# Altium PCB PCB1.PcbDoc (part 5 of 9)
Units mil, origin at the board's own origin, x right, y up, seen from the top; angles counter-clockwise.
Board outline 6000 x 4000 mil, 7 copper layers (Top Layer, InternalPlane1, MidLayer1, InternalPlane2, Internal Plane 3, MidLayer2, Bottom Layer); 389 components, 0 nets, 1750 pads, 1189 vias.
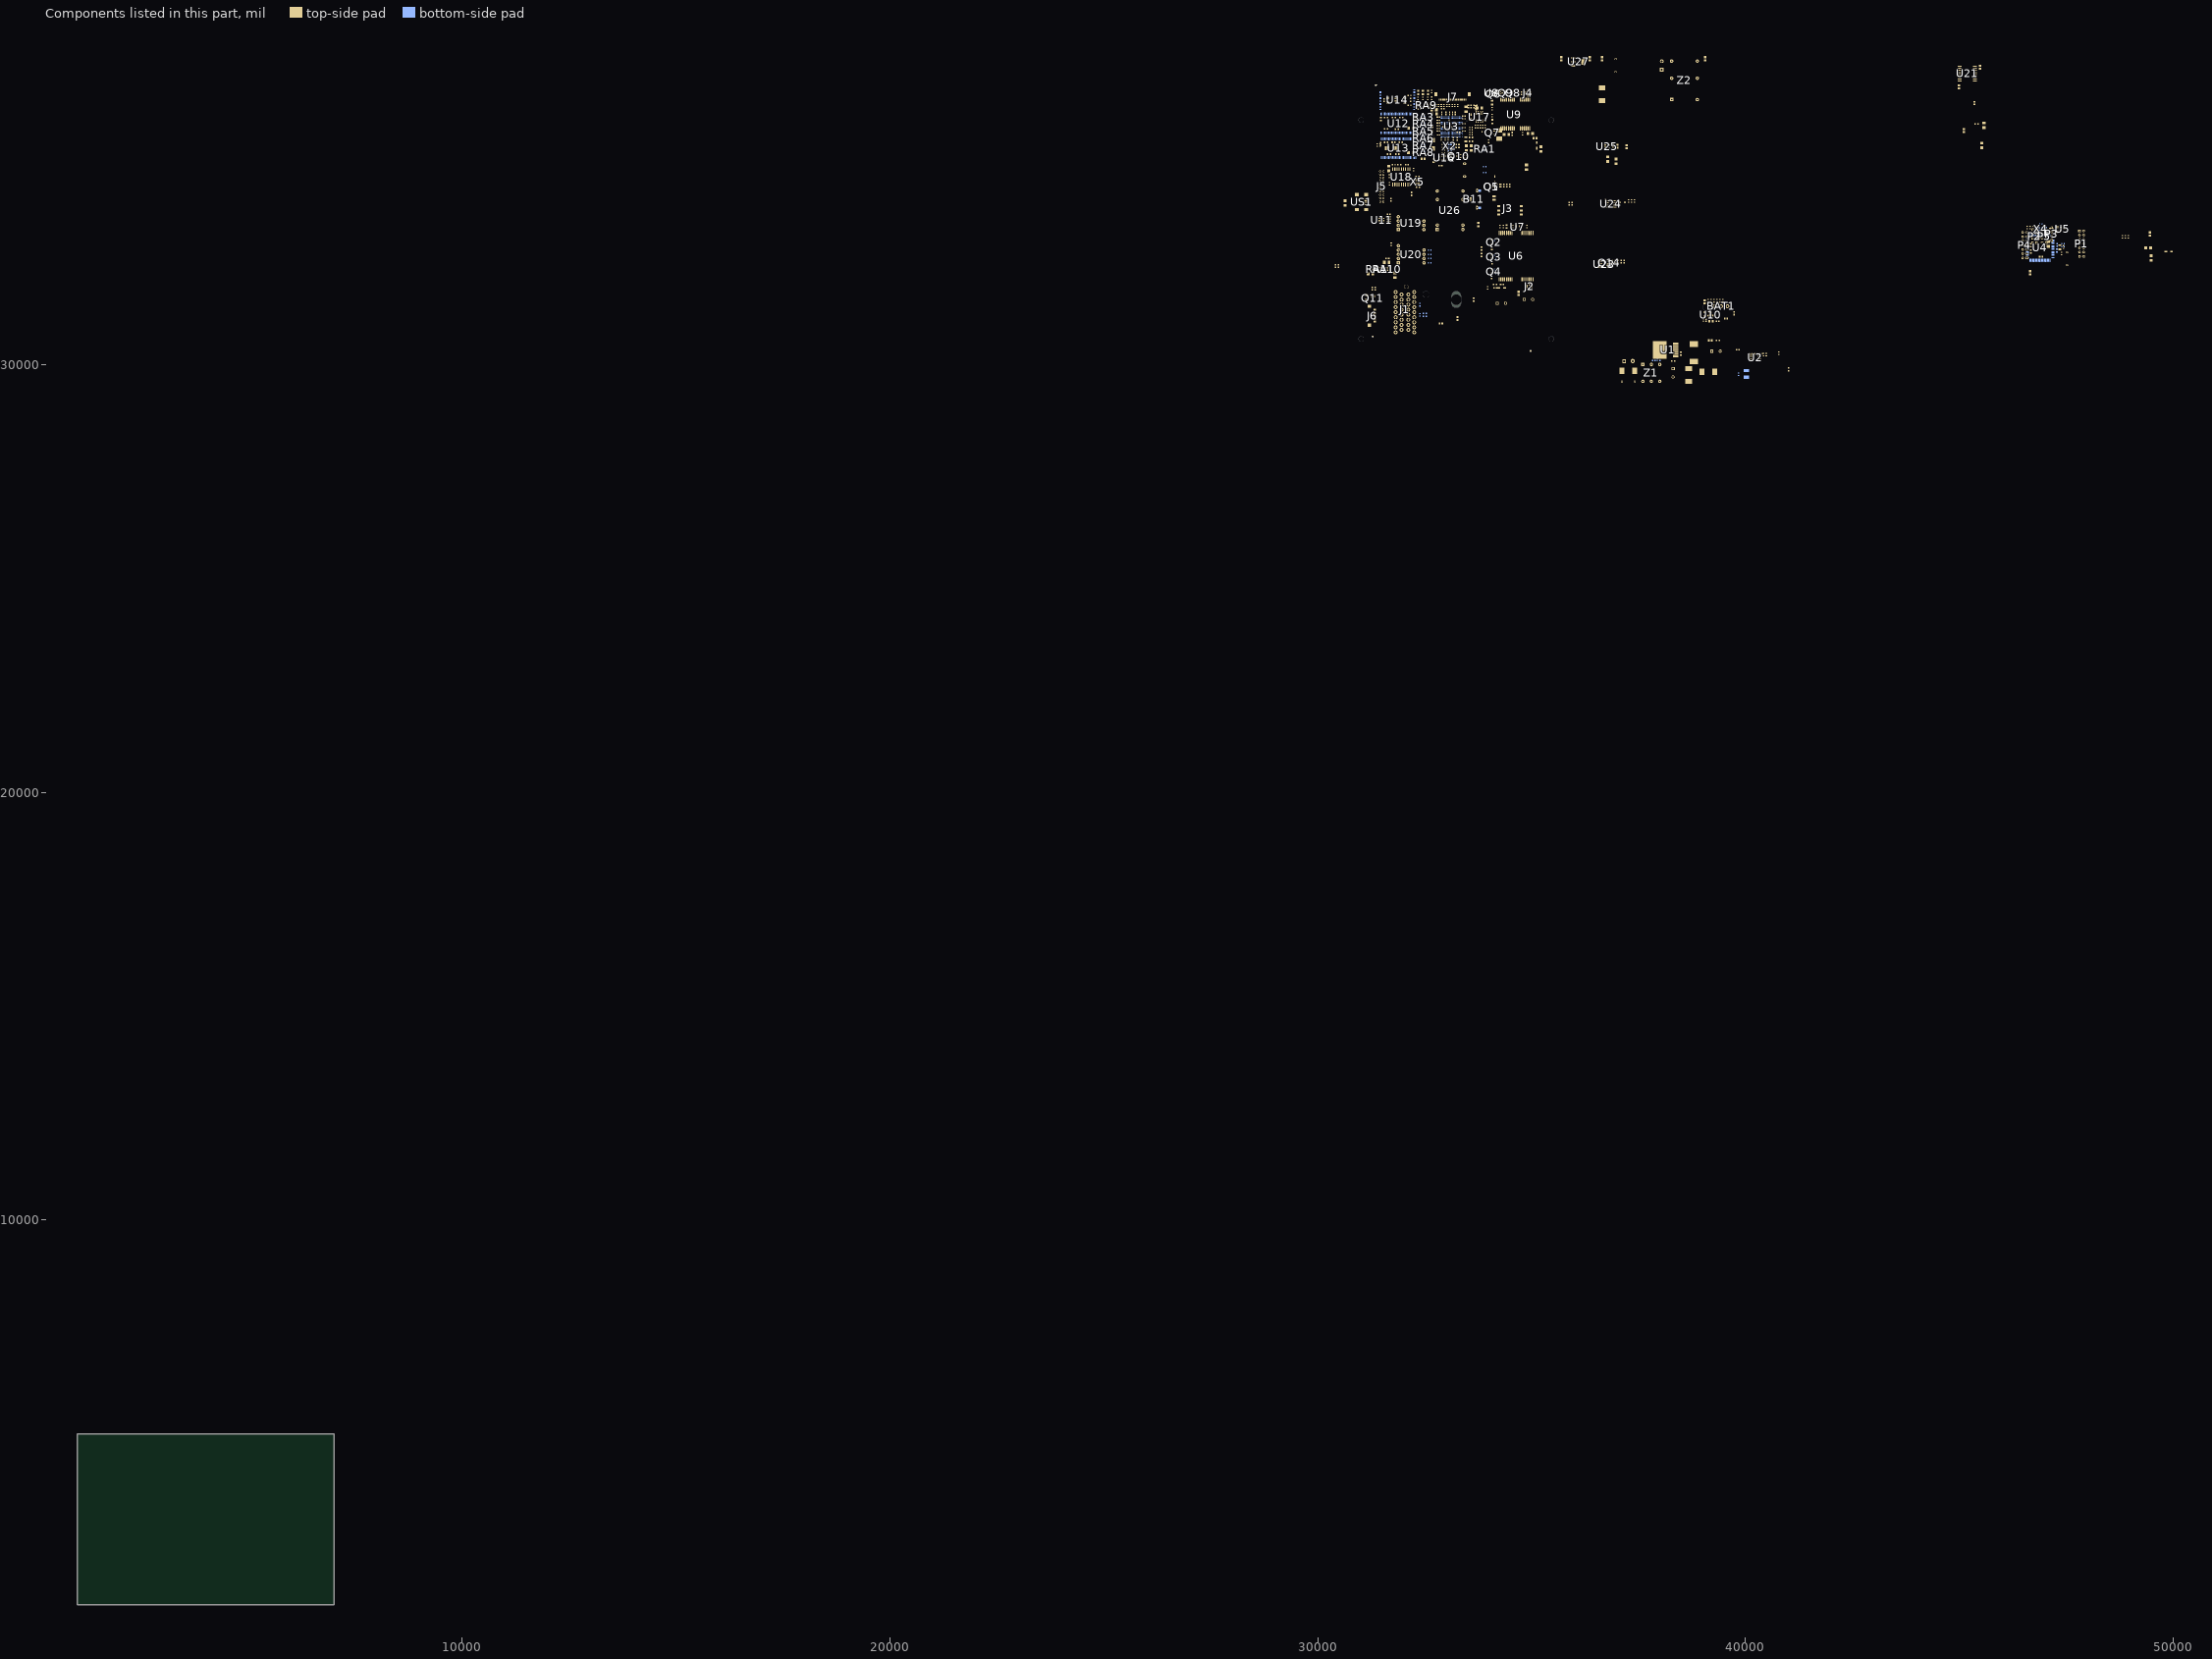
[diagram p10: the components of this part, seen from the top]

## Via types
v1: diameter 18, hole 10, Top Layer to Bottom Layer, tented both sides, 402 vias
v2: diameter 20, hole 10, Top Layer to Bottom Layer, tented both sides, 376 vias
v3: diameter 25, hole 15, Top Layer to Bottom Layer, tented both sides, 361 vias
v4: diameter 23.62, hole 11.81, Top Layer to Bottom Layer, tented both sides, 45 vias
v5: diameter 50, hole 28, Top Layer to Bottom Layer, tented both sides, 4 vias
v6: diameter 30, hole 15, Top Layer to Bottom Layer, tented both sides, 1 vias

## Nets (pads, with @x,y where several pads share a name; then routed paths per layer and width w, separated by ;. In a path a pad name is that pad's centre, name@x,y a point inside that pad or via, vN(x,y) a via of type N, cw(c..) or ccw(c..) an arc to the next point about the centre after c; other vN are vias at no path point) (continued)
copper on no net: (continued)
  MidLayer1 w5: v2@31193.8,31205.25 ccw(c31183.37,31215.68) 31198.12,31215.68 ; v2@31198.12,31200.93 31198.12,31532.62 31408.41,31742.92 v2(31408.41,32171.74) ; 31198.12,31220.43 ccw(c31219.59,31220.43) v2@31204.41,31205.25 ; v2(31241.43,33947.98) 31313.28,34019.83 31503.53,34019.83 31542.27,34058.57 31632.07,34058.57 v4(31661.68,34088.17) ; v2@31252.63,31045.42 ccw(c31234.52,31045.42) 31247.32,31058.22 ccw(c31260.13,31071.02) v2@31260.13,31052.92 ; v2(31260.13,31045.42) 31236.5,31069.04 31236.5,31499.16 31440.24,31702.9 v2@31440.24,32148.76 ; v2@31272.15,31853.49 ccw(c31258.42,31867.22) 31277.84,31867.22 ; v2@31277.84,31850.54 31277.84,31919.43 31344.77,31986.36 31344.77,32148.76 31458.94,32262.94 31941.23,32262.94 32046.05,32367.76 v2(32046.05,32663.04) ; 31277.84,31865.36 ccw(c31294.63,31865.36) v2@31282.76,31853.48 ; v2@31280.37,31107.78 ccw(c31267.56,31120.58) 31285.67,31120.58 ccw(c31303.78,31120.58) v2@31290.97,31107.78 ; v2(31285.67,31102.47) 31285.67,31444.98 31310.32,31469.63 ; v2@31286.09,31065.1 ccw(c31267.98,31065.1) 31280.79,31077.91 ccw(c31293.59,31090.71) v2@31293.59,31072.6 ; v2@31290.64,31024.75 31329.02,31063.13 31329.02,31449.94 31580.99,31701.91 v2@31580.99,32123.17 ; v2@31290.64,31033.23 ccw(c31290.64,31053.72) 31305.12,31039.23 ; v2(31293.59,31065.1) 31261.11,31097.58 31261.11,31466.68 31478.63,31684.2 v2@31478.63,32117.27 ; v2@31298.14,31025.73 cw(c31313.87,31025.73) 31302.75,31036.86 ; 31309.83,31470.12 31513.41,31673.7 v2(31513.41,32091.03) 31585.91,32163.53 32007.17,32163.53 32255.2,32411.56 32255.2,33368.25 32692.19,33805.23 32692.19,34141.32 33270.93,34720.06 33270.93,35266.32 33236.48,35300.77 v1(33236.48,35376.56) ; v2@31375.66,31084.79 ccw(c31357.55,31084.79) 31370.35,31097.59 ccw(c31383.16,31110.39) v2@31383.16,31092.29 ; v2(31383.16,31084.79) 31355.6,31112.35 31355.6,31439.12 31615.44,31698.96 v2@31615.44,32111.36 ; v2@31388.68,31149.15 ccw(c31377.69,31160.14) 31393.23,31160.14 ; v2@31393.23,31144.59 31393.23,31416.71 31648.91,31672.39 v2@31648.91,32091.68 ; 31393.23,31163.76 ccw(c31413.9,31163.76) v2@31399.29,31149.15 ; v2@31403.11,32166.43 cw(c31390.31,32153.63) 31408.41,32153.63 cw(c31426.52,32153.63) v2@31413.72,32166.43 ; v2@31405.8,32174.35 31469.77,32238.33 31962.27,32238.33 32170.56,32446.62 32170.56,33376.13 32633.13,33838.7 32633.13,34197.43 33223.68,34787.98 33223.68,35254.51 33189.23,35288.96 33189.23,35423.8 v1(33204.98,35439.55) ; v2@31410.91,32171.74 cw(c31429.59,32171.74) 31416.38,32184.94 ; v2@31415.91,32171.74 cw(c31446.66,32171.74) 31424.92,32193.48 ; v2@31423.13,31200.33 ccw(c31410.33,31213.13) 31428.43,31213.13 ccw(c31446.54,31213.13) v2@31433.74,31200.33 ; v2(31428.43,31195.02) 31428.43,31401.72 31685.32,31658.61 v2@31685.32,32060.18 ; v2@31438.11,32142.26 cw(c31432.96,32137.11) 31440.24,32137.11 ; 31440.24,32121.81 cw(c31469.17,32121.81) v2@31448.72,32142.26 ; 31440.24,32133.88 cw(c31457.1,32133.88) v2@31445.18,32145.8 ; v2(31443.41,32147.56) 31514.5,32218.65 31984.31,32218.65 ; v2@31443.41,32155.06 ccw(c31443.41,32173.17) 31456.22,32160.37 ccw(c31469.02,32147.56) v2@31450.91,32147.56 ; v2@31473.54,32112.18 cw(c31461.26,32099.9) 31478.63,32099.9 ; 31478.63,32098.85 cw(c31497.48,32098.85) v2@31484.15,32112.18 ; v2(31478.85,32117.48) 31546.54,32185.18 31988.42,32185.18 32226.64,32423.39 32226.64,33371.18 32670.53,33815.08 32670.53,34146.25 33249.27,34724.99 33249.27,35269.28 33220.73,35297.82 33220.73,35392.31 v1(33204.98,35408.06) ; v2@31478.85,32124.98 ccw(c31478.85,32143.09) 31491.65,32130.29 ccw(c31504.45,32117.48) v2@31486.35,32117.48 ; v2@31508.11,32085.72 cw(c31495.31,32072.92) 31513.41,32072.92 cw(c31531.52,32072.92) v2@31518.72,32085.72 ; v2@31509.79,35379.78 cw(c31509.79,35361.68) 31522.6,35374.48 cw(c31535.4,35387.28) v2@31517.29,35387.28 ; v2(31509.79,35387.28) 31530.8,35366.28 31734.54,35366.28 31768.69,35332.13 32433.47,35332.13 32461.87,35303.73 v1(32823.09,35303.73) ; v2@31509.79,35910.62 cw(c31509.79,35895.74) 31520.32,35906.26 ; v2(31509.79,35918.12) 31509.79,35916.78 31562.29,35864.28 32516.03,35864.28 32568.17,35812.15 32605.05,35812.15 32824.13,35593.07 32893.98,35593.07 v1(32984.51,35502.54) ; v2@31513.41,32098.53 ccw(c31513.41,32116.63) 31526.22,32103.83 ccw(c31539.02,32091.03) v2@31520.91,32091.03 ; v2@31517.29,35918.12 ccw(c31538.63,35918.12) 31523.54,35903.03 ; 31542.27,34294.79 31667.5,34294.79 v4(31690.22,34317.51) ; v2@31569.79,35242.04 cw(c31569.79,35223.93) 31582.59,35236.73 cw(c31595.39,35249.54) v2@31577.29,35249.54 ; v2(31569.79,35249.54) 31596.74,35222.58 32231.03,35222.58 32247.33,35206.28 32861.48,35206.28 32984.51,35329.32 v1(32984.51,35376.56) ; v2@31572.79,35470.66 cw(c31572.79,35452.55) 31585.59,35465.35 cw(c31598.39,35478.16) v2@31580.29,35478.16 ; v2(31572.79,35478.16) 31596.08,35454.87 31775.87,35454.87 31838.18,35392.56 32937.51,35392.56 v1(32953.01,35408.06) ; v2(31572.79,35826.58) 31572.79,35829.25 31591.82,35848.28 32509.83,35848.28 32646.83,35711.28 32684.75,35711.28 32893.49,35502.54 v1(32953.01,35502.54) ; v2@31572.79,35834.08 ccw(c31572.79,35845.74) 31581.03,35837.5 ; v2@31575.29,35826.58 cw(c31587.77,35826.58) 31578.94,35835.41 ; v2@31575.35,32119.19 cw(c31561.74,32105.58) 31580.99,32105.58 ; v2@31580.29,35826.58 cw(c31604.84,35826.58) 31587.48,35843.94 ; 31580.99,32107.19 cw(c31597.96,32107.19) v2@31585.96,32119.19 ; v2@31584.93,34901.72 31614.46,34872.19 32467.8,34872.19 v2(32741.43,35145.81) ; v2@31585.91,34894.22 cw(c31585.91,34878.49) 31597.04,34889.61 ; v2@31593.41,34901.72 ccw(c31613.9,34901.72) 31599.41,34887.23 ; v2@31598.98,35394.56 ccw(c31586.18,35407.36) 31604.28,35407.36 ccw(c31622.39,35407.36) v2@31609.59,35394.56 ; v2@31601.28,35324.94 cw(c31601.28,35306.83) 31614.09,35319.64 cw(c31626.89,35332.44) v2@31608.78,35332.44 ; v2(31601.28,35332.44) 31657.01,35276.72 32289.65,35276.72 32310.14,35256.23 32889.77,35256.23 32969.01,35335.47 32969.01,35392.56 v1(32984.51,35408.06) ; v2(31604.28,35389.25) 31604.28,35413.2 31633.16,35442.07 31762.09,35442.07 31827.6,35376.56 v1(32921.52,35376.56) ; v2@31604.28,35911.28 cw(c31604.28,35893.17) 31617.09,35905.98 cw(c31629.89,35918.78) v2@31611.78,35918.78 ; v2(31604.28,35918.78) 31637.78,35885.28 32556.09,35885.28 32812.85,35628.52 32890.03,35628.52 v1(32984.51,35534.04) ; v2@31610.35,32099.39 cw(c31598.07,32087.1) 31615.44,32087.1 ; 31615.44,32086.06 cw(c31634.29,32086.06) v2@31620.96,32099.39 ; v2@31644.56,32085.41 cw(c31634.06,32074.91) 31648.91,32074.91 ; 31648.91,32070.3 cw(c31670.27,32070.3) v2@31655.16,32085.41 ; v2@31649.86,32089.68 v2(31649.86,32090.71) ; v4@31652.36,34088.17 cw(c31629.89,34088.17) 31645.78,34072.28 cw(c31661.68,34056.38) v4@31661.68,34078.86 ; v2@31662.75,35396.22 ccw(c31655.86,35405.32) 31667.27,35405.32 ; v2@31665.61,34783.76 31668.74,34783.76 31704.17,34819.19 32451.33,34819.19 32461.87,34808.65 32799.47,35146.25 32947.11,35146.25 33063.25,35262.39 33063.25,35486.8 v1(33047.5,35502.54) ; v2@31665.64,34789.14 ccw(c31665.64,34809.62) 31680.12,34795.14 ; v2(31667.27,35390.24) 31667.27,35405.32 ; v2@31671.8,35396.22 cw(c31678.69,35405.32) 31667.27,35405.32 ; v2@31673.14,34781.64 cw(c31688.87,34781.64) 31677.75,34792.76 ; v2@31675.48,35811.54 cw(c31675.48,35793.43) 31688.28,35806.24 cw(c31701.09,35819.04) v2@31682.98,35819.04 ; v2(31675.48,35819.04) 31703.24,35791.28 32424.69,35791.28 32598.71,35617.27 32598.71,35597.01 v1(32719.75,35475.96) ; v2(31678.43,35243.25) 31696.32,35261.14 32221.25,35261.14 32262.09,35220.3 32850.88,35220.3 v1(32857.54,35226.95) ; v2@31678.43,35250.75 ccw(c31678.43,35268.86) 31691.24,35256.06 ccw(c31704.04,35243.25) v2@31685.93,35243.25 ; v2@31680.35,32057.18 cw(c31668.36,32045.19) 31685.32,32045.19 ; v4@31680.91,34317.51 cw(c31658.43,34317.51) 31674.32,34301.61 cw(c31690.22,34285.72) v4@31690.22,34308.19 ; 31685.32,32043.57 cw(c31704.57,32043.57) v2@31690.96,32057.18 ; v2@31695.77,35324.94 cw(c31695.77,35306.83) 31708.57,35319.64 cw(c31721.38,35332.44) v2@31703.27,35332.44 ; v2(31695.77,35332.44) 31735.75,35292.46 32305.4,35292.46 32328.59,35269.28 32878.21,35269.28 v1(32921.52,35312.58) ; v2(31698.77,35478.72) 31723.14,35503.09 31792.61,35503.09 31805.4,35490.3 31805.4,35473.57 31839.42,35439.55 v1(32921.52,35439.55) ; v2@31698.77,35486.22 ccw(c31698.77,35504.33) 31711.57,35491.53 ccw(c31724.38,35478.72) v2@31706.27,35478.72 ; v2(31698.77,35916.15) 31716.82,35934.2 31782.76,35934.2 31802.45,35914.51 32574.1,35914.51 32734.54,35754.08 32766.01,35754.08 32789.25,35730.84 32789.25,35698.38 32818.2,35669.43 33007.58,35669.43 33031.75,35645.26 33031.75,35549.79 v1(33016.01,35534.04) ; v2@31698.77,35923.65 ccw(c31698.77,35941.75) 31711.57,35928.95 ccw(c31724.38,35916.15) v2@31706.27,35916.15 ; v2@31752.63,34148.16 cw(c31739.83,34135.36) 31757.94,34135.36 cw(c31776.04,34135.36) v2@31763.24,34148.16 ; v2(31757.94,34153.46) 31757.94,33494.87 31887.27,33365.54 ; v2@31761.76,35377.82 cw(c31761.76,35359.71) 31774.57,35372.51 cw(c31787.37,35385.32) v2@31769.26,35385.32 ; v2@31761.76,35909.63 cw(c31761.76,35891.53) 31774.57,35904.33 cw(c31787.37,35917.13) v2@31769.26,35917.13 ; v2(31761.76,35917.13) 31777.18,35901.72 32562.29,35901.72 32808.35,35655.65 32948.12,35655.65 32969.01,35634.76 32969.01,35581.53 33000.51,35550.04 33000.51,35518.54 33016.01,35503.04 v1(33016.01,35502.54) ; v2@31764.06,35383.02 31800.48,35346.6 32456.4,35346.6 32474.68,35328.32 32535.12,35328.32 32535.19,35328.25 32555.49,35328.25 32555.56,35328.32 v1(32841.78,35328.32) 32859.75,35328.32 ; v2(31777.84,35167.46) 31816.23,35205.85 32194.18,35205.85 32207.53,35192.51 32882.15,35192.51 v1(32948.09,35258.45) ; v2@31777.84,35174.96 ccw(c31777.84,35193.07) 31790.65,35180.27 ccw(c31803.45,35167.46) v2@31785.34,35167.46 ; v2@31780.8,35472.54 cw(c31780.8,35454.43) 31793.6,35467.24 cw(c31806.4,35480.04) v2@31788.3,35480.04 ; v2(31780.8,35480.04) 31836.05,35424.79 32904.79,35424.79 v1(32921.52,35408.06) ; v2@31793.26,35817.68 cw(c31793.26,35799.57) 31806.06,35812.38 cw(c31818.87,35825.18) v2@31800.76,35825.18 ; v2(31793.26,35825.18) 31813.15,35805.28 32528.02,35805.28 32846.51,35486.8 32937.27,35486.8 v1(32953.01,35471.05) ; v2@31802.63,34149.93 cw(c31789.83,34137.13) 31807.94,34137.13 cw(c31826.04,34137.13) v2@31813.24,34149.93 ; v2(31807.94,34155.23) 31807.94,33544.87 31887.27,33465.54 ; 31825.09,31115.3 31725.68,31214.71 31725.68,31830.85 v2(32072.13,32177.31) ; v2@31856.25,35471.89 cw(c31856.25,35453.78) 31869.05,35466.59 cw(c31881.86,35479.39) v2@31863.75,35479.39 ; v2(31856.25,35479.39) 31880.59,35455.05 32937.51,35455.05 v1(32953.01,35439.55) ; v2(31860.52,35185.18) 31864.66,35189.32 32164.45,35189.32 32175.05,35178.73 32892.97,35178.73 33000.26,35286.01 33000.26,35360.81 v1(33016.01,35376.56) ; v2@31862.29,35183.41 cw(c31876.55,35169.15) 31876.55,35189.32 ; v2@31865.82,35179.88 cw(c31888.62,35157.08) 31888.62,35189.32 ; v2@31871.35,35775.73 32398.91,35775.73 32454.02,35720.61 32454.02,35662.54 32607.38,35509.19 v2(32658.77,35509.19) ; v2@31873.11,35772 cw(c31882.13,35762.98) 31882.13,35775.73 ; v2@31876.65,35768.46 cw(c31894.21,35750.9) 31894.21,35775.73 ; v2@31876.65,35779.07 ccw(c31884.7,35787.12) 31884.7,35775.73 ; 31889.23,32587.19 31831.95,32644.47 31831.95,32865.73 31962.88,32996.66 31962.88,33743.71 33072.13,34852.96 ; 31889.23,32687.19 32023.68,32821.63 32023.68,33703.13 33089.85,34769.3 ; v2(31927.45,35156.64) 31928.43,35155.65 32011.63,35155.65 32022.9,35166.91 32950.06,35166.91 33047.5,35264.36 v1(33047.5,35439.55) ; v2@31932.75,35151.33 cw(c31943.18,35140.91) 31943.18,35155.65 ; v2@31932.75,35161.94 ccw(c31947.93,35177.12) 31947.93,35155.65 ; v1(31949.75,35567.28) 31990.2,35567.28 32045.79,35622.88 cw(c32049.33,35619.35) 32052.86,35622.88 32057.15,35618.6 ccw(c32060.68,35622.14) 32064.22,35618.6 ccw(c32060.68,35622.14) 32064.22,35625.67 32059.93,35629.95 cw(c32063.47,35633.49) 32059.93,35637.02 32074.08,35651.17 32078.37,35651.17 ccw(c32078.37,35656.17) 32083.37,35656.17 32083.37,35664.96 cw(c32088.37,35664.96) 32088.37,35669.96 cw(c32088.37,35664.96) 32093.37,35664.96 32093.37,35656.17 ccw(c32098.37,35656.17) 32098.37,35651.17 ccw(c32098.37,35656.17) 32103.37,35656.17 32103.37,35664.96 cw(c32108.37,35664.96) 32108.37,35669.96 cw(c32108.37,35664.96) 32113.37,35664.96 32113.37,35656.17 ccw(c32118.37,35656.17) 32118.37,35651.17 ccw(c32118.37,35656.17) 32123.37,35656.17 32123.37,35664.96 cw(c32128.37,35664.96) 32128.37,35669.96 cw(c32128.37,35664.96) 32133.37,35664.96 32133.37,35656.17 ccw(c32138.37,35656.17) 32138.37,35651.17 ccw(c32138.37,35656.17) 32143.37,35656.17 32143.37,35664.96 cw(c32148.37,35664.96) 32148.37,35669.96 cw(c32148.37,35664.96) 32153.37,35664.96 32153.37,35656.17 ccw(c32158.37,35656.17) 32158.37,35651.17 ccw(c32158.37,35656.17) 32163.37,35656.17 32163.37,35664.96 cw(c32168.37,35664.96) 32168.37,35669.96 cw(c32168.37,35664.96) 32173.37,35664.96 32173.37,35656.17 ccw(c32178.37,35656.17) 32178.37,35651.17 ccw(c32178.37,35656.17) 32183.37,35656.17 cw(c32188.37,35656.17) 32188.37,35661.17 cw(c32188.37,35656.17) 32193.37,35656.17 ccw(c32198.37,35656.17) 32198.37,35651.17 32348.37,35651.17 cw(c32348.37,35646.17) 32353.37,35646.17 32353.37,35644.77 ccw(c32358.37,35644.77) 32358.37,35639.77 ccw(c32358.37,35644.77) 32363.37,35644.77 32363.37,35646.17 cw(c32368.37,35646.17) 32368.37,35651.17 32377.23,35651.17 v1(32394.94,35633.45) ; v1@31954.34,35562.69 cw(c31965.44,35551.59) 31965.44,35567.28 cw(c31965.44,35582.98) v1@31954.34,35571.88 ; v1@31970.11,35599.66 ccw(c31959.02,35610.76) 31974.71,35610.76 ccw(c31990.4,35610.76) v1@31979.31,35599.66 ; v1(31974.71,35595.06) 31974.71,35662.04 32029.46,35716.78 32223.29,35716.78 ccw(c32223.29,35721.78) 32228.29,35721.78 32228.29,35730.46 cw(c32233.29,35730.46) 32233.29,35735.46 cw(c32233.29,35730.46) 32238.29,35730.46 32238.29,35721.78 ccw(c32243.29,35721.78) 32243.29,35716.78 ccw(c32243.29,35721.78) 32248.29,35721.78 32248.29,35730.46 cw(c32253.29,35730.46) 32253.29,35735.46 cw(c32253.29,35730.46) 32258.29,35730.46 32258.29,35721.78 ccw(c32263.29,35721.78) 32263.29,35716.78 ccw(c32263.29,35721.78) 32268.29,35721.78 32268.29,35730.46 cw(c32273.29,35730.46) 32273.29,35735.46 cw(c32273.29,35730.46) 32278.29,35730.46 32278.29,35721.78 ccw(c32283.29,35721.78) 32283.29,35716.78 ccw(c32283.29,35721.78) 32288.29,35721.78 32288.29,35730.46 cw(c32293.29,35730.46) 32293.29,35735.46 cw(c32293.29,35730.46) 32298.29,35730.46 32298.29,35721.78 ccw(c32303.29,35721.78) 32303.29,35716.78 ccw(c32303.29,35721.78) 32308.29,35721.78 32308.29,35730.46 cw(c32313.29,35730.46) 32313.29,35735.46 cw(c32313.29,35730.46) 32318.29,35730.46 32318.29,35721.78 ccw(c32323.29,35721.78) 32323.29,35716.78 ccw(c32323.29,35721.78) 32328.29,35721.78 32328.29,35730.46 cw(c32333.29,35730.46) 32333.29,35735.46 cw(c32333.29,35730.46) 32338.29,35730.46 32338.29,35721.78 ccw(c32343.29,35721.78) 32343.29,35716.78 32389.7,35716.78 v1(32401.83,35728.92) ; 31985.52,32218.65 31984.31,32218.65 ; v1@32009.13,35627.22 ccw(c31998.04,35638.32) 32013.73,35638.32 ccw(c32029.42,35638.32) v1@32018.33,35627.22 ; v1(32013.73,35622.62) 32013.73,35657.75 32021.34,35665.36 ccw(c32017.8,35668.89) 32021.34,35672.43 32014.27,35679.5 cw(c32017.8,35683.04) 32014.27,35686.57 cw(c32017.8,35683.04) 32021.34,35686.57 32042.55,35665.36 ccw(c32046.09,35668.89) 32049.62,35665.36 ccw(c32046.09,35668.89) 32049.62,35672.43 32028.41,35693.64 cw(c32031.95,35697.18) 32028.41,35700.71 cw(c32031.95,35697.18) 32035.48,35700.71 32056.69,35679.5 ccw(c32060.23,35683.04) 32063.77,35679.5 ccw(c32060.23,35683.04) 32063.77,35686.57 32056.69,35693.64 cw(c32060.23,35697.18) 32056.7,35700.71 32063.77,35707.78 32085.65,35707.78 cw(c32085.65,35702.78) 32090.65,35702.78 32090.65,35692.78 ccw(c32095.65,35692.78) 32095.65,35687.78 ccw(c32095.65,35692.78) 32100.65,35692.78 32100.65,35702.78 cw(c32105.65,35702.78) 32105.65,35707.78 cw(c32105.65,35702.78) 32110.65,35702.78 32110.65,35692.78 ccw(c32115.65,35692.78) 32115.65,35687.78 ccw(c32115.65,35692.78) 32120.65,35692.78 32120.65,35702.78 cw(c32125.65,35702.78) 32125.65,35707.78 cw(c32125.65,35702.78) 32130.65,35702.78 32130.65,35692.78 ccw(c32135.65,35692.78) 32135.65,35687.78 ccw(c32135.65,35692.78) 32140.65,35692.78 32140.65,35702.78 cw(c32145.65,35702.78) 32145.65,35707.78 32185.65,35707.78 cw(c32185.65,35702.78) 32190.65,35702.78 32190.65,35692.78 ccw(c32195.65,35692.78) 32195.65,35687.78 ccw(c32195.65,35692.78) 32200.65,35692.78 32200.65,35702.78 cw(c32205.65,35702.78) 32205.65,35707.78 32304.17,35707.78 32313.54,35698.41 v1(32391.01,35698.41) ; v2@32040.75,32657.73 cw(c32027.94,32644.93) 32046.05,32644.93 cw(c32064.16,32644.93) v2@32051.35,32657.73 ; v1(32042.37,35080.3) 32041.98,35080.69 32331.48,35080.69 ccw(c32331.48,35085.69) 32336.48,35085.69 32336.48,35088.95 cw(c32341.48,35088.95) 32341.48,35093.95 cw(c32341.48,35088.95) 32346.48,35088.95 32346.48,35072.42 ccw(c32351.48,35072.42) 32351.48,35067.42 ccw(c32351.48,35072.42) 32356.48,35072.42 32356.48,35075.69 cw(c32361.48,35075.69) 32361.48,35080.69 v1(32394.35,35080.69) ; v1@32046.97,35075.7 cw(c32059,35063.67) 32059,35080.69 ; v1@32046.97,35084.9 ccw(c32057.13,35095.06) 32057.13,35080.69 ; v2@32059.34,34719.63 32155.8,34719.63 v2(32434.15,34441.27) ; v2@32064.63,32177.31 cw(c32046.53,32177.31) 32059.33,32164.5 cw(c32072.13,32151.7) v2@32072.13,32169.81 ; v2@32065.6,34714.3 cw(c32078.47,34701.44) 32078.47,34719.63 ; v2@32065.6,34724.91 ccw(c32078.34,34737.65) 32078.34,34719.63 ; v1@32074.08,35027.54 cw(c32074.08,35011.85) 32085.17,35022.94 cw(c32096.27,35034.04) v1@32080.58,35034.04 ; v1(32074.08,35034.04) 32086.87,35021.25 32325.06,35021.25 v1(32362.68,34983.63) ; v1(32105.57,35140.34) 32106.56,35141.32 32304.27,35141.32 ccw(c32304.27,35146.32) 32309.27,35146.32 32309.27,35151.97 cw(c32314.27,35151.97) 32314.27,35156.97 cw(c32314.27,35151.97) 32319.27,35151.97 32319.27,35127.27 ccw(c32324.27,35127.27) 32324.27,35122.27 ccw(c32324.27,35127.27) 32329.27,35127.27 32329.27,35151.97 cw(c32334.27,35151.97) 32334.27,35156.97 cw(c32334.27,35151.97) 32339.27,35151.97 32339.27,35127.27 ccw(c32344.27,35127.27) 32344.27,35122.27 ccw(c32344.27,35127.27) 32349.27,35127.27 32349.27,35151.97 cw(c32354.27,35151.97) 32354.27,35156.97 cw(c32354.27,35151.97) 32359.27,35151.97 32359.27,35127.27 ccw(c32364.27,35127.27) 32364.27,35122.27 ccw(c32364.27,35127.27) 32369.27,35127.27 32369.27,35136.32 cw(c32374.27,35136.32) 32374.27,35141.32 v1(32399.86,35141.32) ; v1(32107.54,35633.45) 32107.54,35638.37 32343.76,35638.37 v1(32372.31,35609.83) ; v1@32108.6,35632.39 cw(c32123.04,35617.95) 32123.04,35638.37 ; v1@32110.17,35135.74 cw(c32123.64,35122.27) 32123.64,35141.32 ; v1@32110.17,35144.94 ccw(c32118.89,35153.66) 32118.89,35141.32 ; v1@32112.14,35628.85 cw(c32135.11,35605.88) 32135.11,35638.37 ; v2@32127.17,32957.9 ccw(c32119.85,32965.22) 32130.2,32965.22 ; v2@32130.2,32954.87 32130.2,33752.57 33207.94,34830.3 33207.94,35241.72 33173.49,35276.17 v1(33173.49,35408.06) ; 32130.2,32964.11 ccw(c32144,32964.11) v2@32134.24,32954.36 ; 32130.2,32976.18 ccw(c32156.07,32976.18) v2@32137.78,32957.9 ; 32133.63,32895.34 ccw(c32149.88,32911.59) v2@32149.88,32888.6 ; 32138.51,32890.46 cw(c32129.16,32881.1) v2@32142.38,32881.1 ; v1(32139.04,35611.8) 32145.02,35605.81 cw(c32141.49,35602.28) 32145.02,35598.74 32137.95,35591.67 ccw(c32141.49,35588.14) 32137.95,35584.6 ccw(c32141.49,35588.14) 32145.02,35584.6 32166.23,35605.81 cw(c32169.77,35602.28) 32173.31,35605.81 cw(c32169.77,35602.28) 32173.31,35598.74 32152.09,35577.53 ccw(c32155.63,35573.99) 32152.09,35570.46 ccw(c32155.63,35573.99) 32159.16,35570.46 32166.23,35577.53 cw(c32169.77,35573.99) 32173.31,35577.53 32180.38,35570.46 32192.9,35570.46 ccw(c32192.9,35575.46) 32197.9,35575.46 32197.9,35585.46 cw(c32202.9,35585.46) 32202.9,35590.46 cw(c32202.9,35585.46) 32207.9,35585.46 32207.9,35555.46 ccw(c32212.9,35555.46) 32212.9,35550.46 ccw(c32212.9,35555.46) 32217.9,35555.46 32217.9,35584.08 cw(c32222.9,35584.08) 32222.9,35589.08 cw(c32222.9,35584.08) 32227.9,35584.08 32227.9,35555.46 ccw(c32232.9,35555.46) 32232.9,35550.46 ccw(c32232.9,35555.46) 32237.9,35555.46 32237.9,35582.26 